# KiCad board EOutside.kicad_pcb (continued)
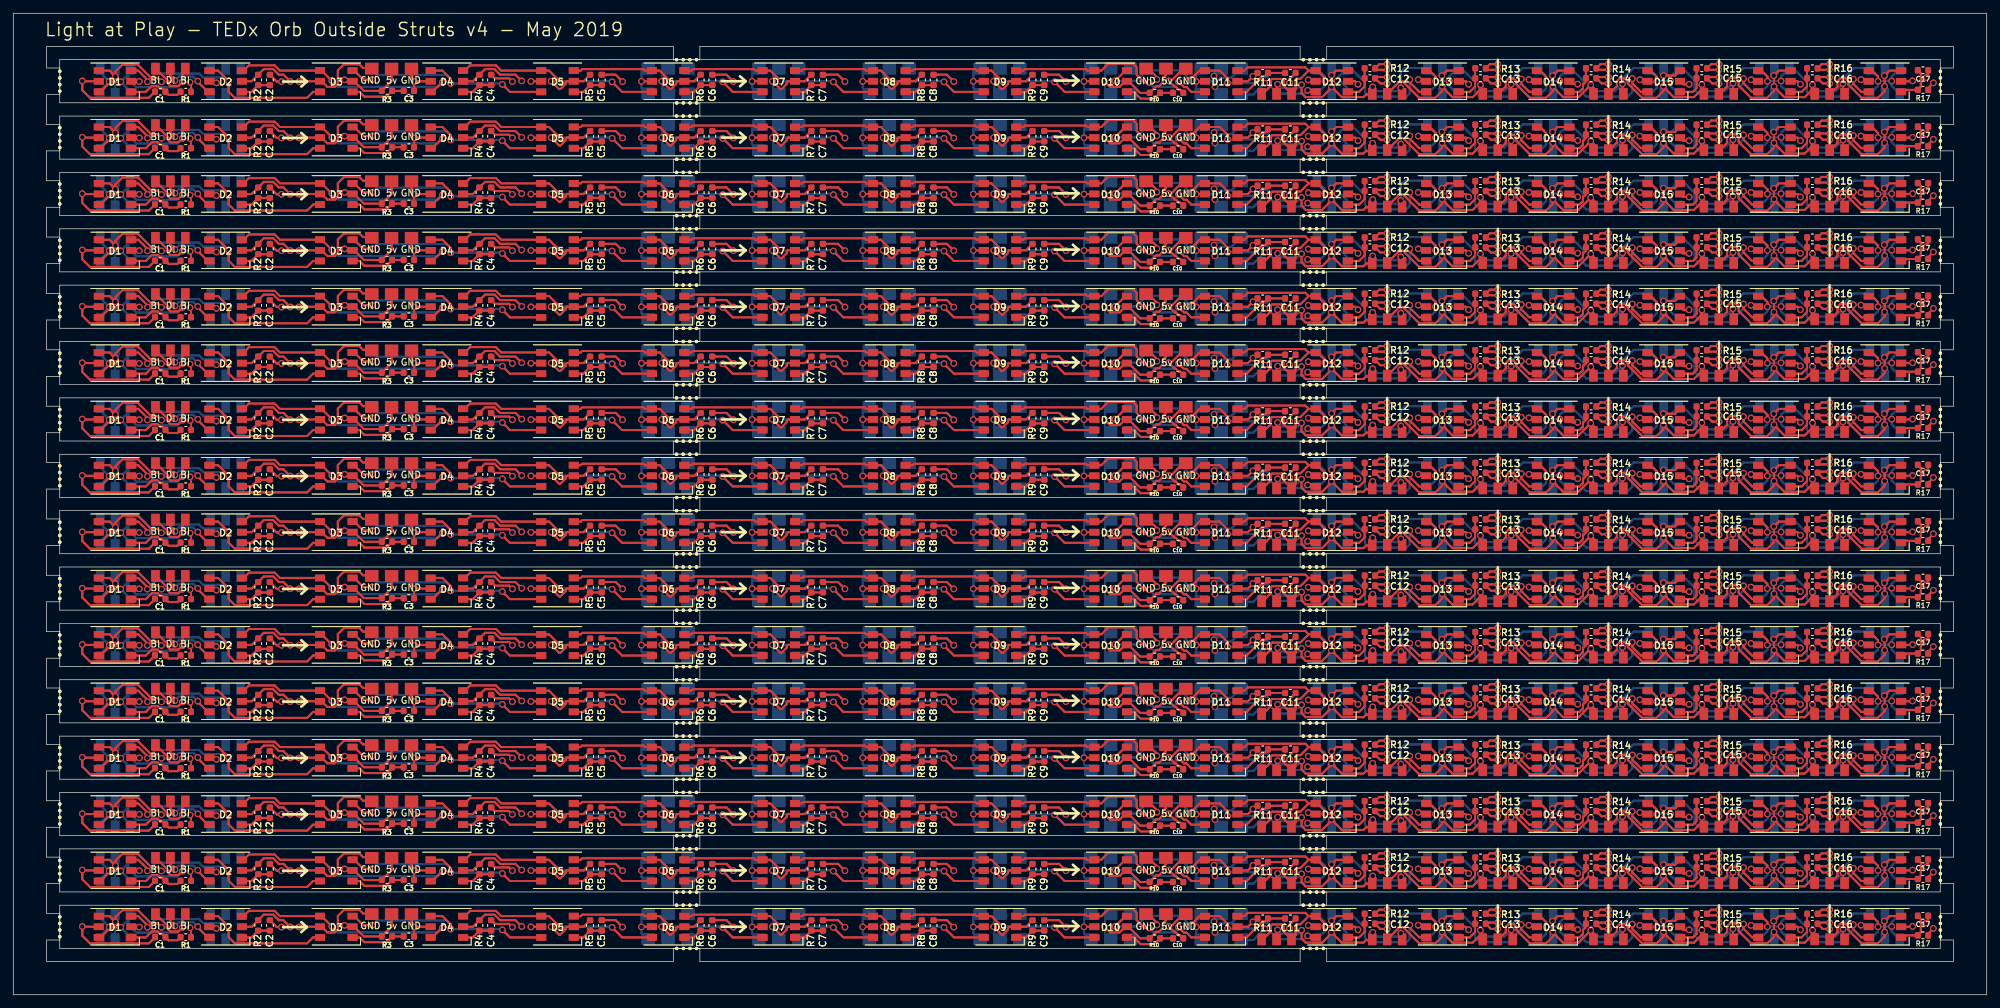
[diagram p0: board, top side]
## Routing (per net, layer and track width the routed paths; a pad name or vN(x,y) marks a point on that pad's centre or on a via; arc(x,y) is an arc through that point) (continued)
251.57,77.79 ; 251.79,77.79 251.57,77.79 ; 234.88,77.82 D14#10.2 234.88,77.82 ; 251.57,77.79 D15#11.2 251.57,77.79 ; 186.02,78.25 186.27,78.5 ; 186.02,78.25 D11#13.2 186.02,78.25 ; 186.02,78.25 186.27,78.5 ; 186.27,78.5 v1(186.77,79) ; 186.27,78.5 v1(186.77,79) ; v1(186.77,79) 186.96,79 ; v1(186.77,79) 186.96,79 ; 186.96,79 R11#10.1 186.96,79 ; 286.12,78.25 v1(286.17,78.3) 286.12,78.25 ; 286.12,78.25 D17#12.2 286.12,78.25 ; 288.52,77.23 v1(289.29,78) 288.52,77.23 ; 288.52,77.23 R17#10.1 288.52,77.23 ; 202.15,78.25 D12#13.2 202.15,78.25 ; 202.15,78.25 v1(202.6,77.8) 202.15,78.25 ; 18.94,78.25 D1#9.2 18.94,78.25 ; 18.94,78.25 v1(18.99,78.2) 18.94,78.25 ; 57,86.79 57,88.75 57,86.79 ; 57,86.79 R3#9.1 ; 57,86.79 R3#9.1 ; 73.34,87.74 75.66,87.74 ; 73.34,87.74 72.5,88.58 ; 73.34,87.74 75.66,87.74 ; 73.34,87.74 72.5,88.58 ; 75.66,87.74 v1(76.6,86.8) 75.66,87.74 ; 72.5,88.58 71.07,88.58 ; 72.5,88.58 71.07,88.58 ; R4#9.1 71.07,88.58 ; R4#9.1 69.25,86.75 ; R4#9.1 71.07,88.58 ; R4#9.1 69.25,86.75 ; 218.82,86.75 v1(219.27,86.3) 218.82,86.75 ; 218.82,86.75 D13#10.2 218.82,86.75 ; 222.07,88.48 221.85,88.7 ; 222.07,88.48 v2(223.67,88.48) 222.07,88.48 ; 222.07,88.48 221.85,88.7 ; 221.85,88.7 222.47,89.33 ; 221.85,88.7 222.47,89.33 ; 205.41,88.48 R12#9.1 ; 205.41,88.48 v2(207,88.48) 205.41,88.48 ; 205.41,88.48 R12#9.1 ; R12#9.1 205.81,89.33 ; R12#9.1 205.81,89.33 ; 239.14,89.33 v1(240.33,89.33) 239.14,89.33 ; 239.14,89.33 R14#9.1 ; 239.14,89.33 R14#9.1 ; 41.23,87.21 v1(41.73,86.71) 41.23,87.21 ; 41.23,87.21 40.7,87.74 ; 41.23,87.21 40.7,87.74 ; 69.25,86.75 D4#9.2 69.25,86.75 ; 50.07,86.75 49.92,86.9 ; 50.07,86.75 D3#9.2 ; 50.07,86.75 49.92,86.9 ; 50.07,86.75 D3#9.2 ; 49.92,86.9 v1(49.92,86.97) 49.92,86.9 ; D3#9.2 51.37,86.75 ; D3#9.2 51.37,86.75 ; 39.17,88.58 40.01,87.74 ; 39.17,88.58 37.74,88.58 ; 39.17,88.58 40.01,87.74 ; 39.17,88.58 37.74,88.58 ; 40.01,87.74 40.7,87.74 ; 40.01,87.74 40.7,87.74 ; 37.74,88.58 R2#9.1 ; 37.74,88.58 R2#9.1 ; R2#9.1 35.91,86.75 ; R2#9.1 35.91,86.75 ; 83.2,86.55 83.2,86.34 ; 83.2,86.55 83.4,86.75 ; 83.2,86.55 83.2,86.34 ; 83.2,86.55 83.4,86.75 ; 83.2,86.34 82.44,85.57 ; 83.2,86.34 82.44,85.57 ; 35.91,86.75 D2#9.2 35.91,86.75 ; 85.91,86.75 R5#9.1 85.91,86.75 ; 85.91,86.75 D5#10.2 ; 85.91,86.75 D5#10.2 ; 82.44,85.57 82.23,85.57 ; 82.44,85.57 82.23,85.57 ; 82.23,85.57 v1(81.05,86.75) 82.23,85.57 ; D5#10.2 83.4,86.75 ; D5#10.2 83.4,86.75 ; 99.87,86.34 99.11,85.57 ; 99.87,86.34 99.87,86.55 ; 99.87,86.34 99.11,85.57 ; 99.87,86.34 99.87,86.55 ; 99.11,85.57 98.9,85.57 ; 99.11,85.57 98.9,85.57 ; 100.07,86.75 99.87,86.55 ; 100.07,86.75 D6#10.2 ; 100.07,86.75 99.87,86.55 ; 100.07,86.75 D6#10.2 ; D6#10.2 102.58,86.75 ; D6#10.2 102.58,86.75 ; 148.9,85.57 v1(147.72,86.75) 148.9,85.57 ; 148.9,85.57 149.11,85.57 ; 148.9,85.57 149.11,85.57 ; 149.11,85.57 149.87,86.34 ; 149.11,85.57 149.87,86.34 ; 150.07,86.75 149.87,86.55 ; 150.07,86.75 D9#9.2 ; 150.07,86.75 149.87,86.55 ; 150.07,86.75 D9#9.2 ; 149.87,86.55 149.87,86.34 ; 149.87,86.55 149.87,86.34 ; D9#9.2 152.58,86.75 ; D9#9.2 152.58,86.75 ; 152.58,86.75 R9#10.1 152.58,86.75 ; 135.91,86.75 R8#9.1 135.91,86.75 ; 135.91,86.75 D8#9.2 ; 135.91,86.75 D8#9.2 ; D8#9.2 133.4,86.75 ; D8#9.2 133.4,86.75 ; 132.23,85.57 v1(131.05,86.75) 132.23,85.57 ; 132.23,85.57 132.44,85.57 ; 132.23,85.57 132.44,85.57 ; 132.44,85.57 133.21,86.34 ; 132.44,85.57 133.21,86.34 ; 133.21,86.55 133.21,86.34 ; 133.21,86.55 133.4,86.75 ; 133.21,86.55 133.21,86.34 ; 133.21,86.55 133.4,86.75 ; 119.25,86.75 R7#9.1 119.25,86.75 ; 119.25,86.75 D7#9.2 ; 119.25,86.75 D7#9.2 ; D7#9.2 116.73,86.75 ; D7#9.2 116.73,86.75 ; 115.56,85.57 v1(114.38,86.75) 115.56,85.57 ; 115.56,85.57 115.77,85.57 ; 115.56,85.57 115.77,85.57 ; 115.77,85.57 116.54,86.34 ; 115.77,85.57 116.54,86.34 ; 116.54,86.55 116.54,86.34 ; 116.54,86.55 116.73,86.75 ; 116.54,86.55 116.54,86.34 ; 116.54,86.55 116.73,86.75 ; 102.58,86.75 R6#9.1 102.58,86.75 ; 98.9,85.57 v1(97.72,86.75) 98.9,85.57 ; R3#9.1 52.82,85.3 ; R3#9.1 52.82,85.3 ; 52.82,85.3 51.37,86.75 ; 52.82,85.3 51.37,86.75 ; R10#11.1 169.78,85 ; R10#11.1 172.21,86 ; R10#11.1 169.78,85 ; R10#11.1 172.21,86 ; 169.78,85 168.03,86.75 ; 169.78,85 168.03,86.75 ; 268.82,86.75 D16#9.2 268.82,86.75 ; 268.82,86.75 v1(269.27,86.3) 268.82,86.75 ; 255.81,89.33 v1(257,89.33) 255.81,89.33 ; 255.81,89.33 R15#10.1 ; 255.81,89.33 R15#10.1 ; 238.74,88.48 R14#9.1 ; 238.74,88.48 v2(240.33,88.48) 238.74,88.48 ; 238.74,88.48 R14#9.1 ; 272.07,88.48 271.85,88.7 ; 272.07,88.48 v2(273.67,88.48) 272.07,88.48 ; 272.07,88.48 271.85,88.7 ; 271.85,88.7 272.47,89.33 ; 271.85,88.7 272.47,89.33 ; 172.63,86 173.2,86.57 ; 172.63,86 172.21,86 ; 172.63,86 173.2,86.57 ; 172.63,86 172.21,86 ; 173.2,86.57 173.2,87.23 ; 173.2,86.57 173.2,87.23 ; 173.2,87.23 173.67,87.7 ; 173.2,87.23 173.67,87.7 ; 173.67,87.7 173.67,88.75 173.67,87.7 ; 167.53,86.75 166.68,85.9 ; 167.53,86.75 D10#9.2 ; 167.53,86.75 166.68,85.9 ; 167.53,86.75 D10#9.2 ; 166.68,85.9 165.23,85.9 ; 166.68,85.9 165.23,85.9 ; 168.03,86.75 D10#9.2 ; 168.03,86.75 D10#9.2 ; 165.23,85.9 164.88,86.25 ; 165.23,85.9 164.88,86.25 ; 164.88,86.25 v1(164.38,86.75) 164.88,86.25 ; 272.47,89.33 v1(273.67,89.33) 272.47,89.33 ; R15#10.1 255.41,88.48 ; R15#10.1 255.41,88.48 ; 255.41,88.48 v2(257,88.48) 255.41,88.48 ; 222.47,89.33 v1(223.67,89.33) 222.47,89.33 ; 235,86.32 v1(235.71,86.32) 235,86.32 ; 235,86.32 234.88,86.32 ; 235,86.32 234.88,86.32 ; 251.79,86.29 v1(252.5,86.29) 251.79,86.29 ; 251.79,86.29 251.57,86.29 ; 251.79,86.29 251.57,86.29 ; 234.88,86.32 D14#9.2 234.88,86.32 ; 251.57,86.29 D15#9.2 251.57,86.29 ; 186.02,86.75 186.27,87 ; 186.02,86.75 D11#9.2 186.02,86.75 ; 186.02,86.75 186.27,87 ; 186.27,87 v1(186.77,87.5) ; 186.27,87 v1(186.77,87.5) ; v1(186.77,87.5) 186.96,87.5 ; v1(186.77,87.5) 186.96,87.5 ; 186.96,87.5 R11#11.1 186.96,87.5 ; 286.12,86.75 v1(286.17,86.8) 286.12,86.75 ; 286.12,86.75 D17#9.2 286.12,86.75 ; 288.52,85.73 v1(289.29,86.5) 288.52,85.73 ; 288.52,85.73 R17#9.1 288.52,85.73 ; 202.15,86.75 D12#9.2 202.15,86.75 ; 202.15,86.75 v1(202.6,86.3) 202.15,86.75 ; 18.94,86.75 D1#10.2 18.94,86.75 ; 18.94,86.75 v1(18.99,86.7) 18.94,86.75 ; 26.78,86.46 v1(26.64,86.6) 26.78,86.46 ; 26.78,86.46 R1#9.1 26.78,86.46 ; 205.81,89.33 v1(207,89.33) 205.81,89.33 ; R10#17.1 169.78,68 ; R10#17.1 172.21,69 ; R10#17.1 169.78,68 ; R10#17.1 172.21,69 ; 169.78,68 168.03,69.75 ; 169.78,68 168.03,69.75 ; 268.82,69.75 D16#21.2 268.82,69.75 ; 268.82,69.75 v1(269.27,69.3) 268.82,69.75 ; 255.81,72.33 v1(257,72.33) 255.81,72.33 ; 255.81,72.33 R15#19.1 ; 255.81,72.33 R15#19.1 ; 238.74,71.48 R14#23.1 ; 238.74,71.48 v2(240.33,71.48) 238.74,71.48 ; 238.74,71.48 R14#23.1 ; R14#23.1 239.14,72.33 ; R14#23.1 239.14,72.33 ; 272.07,71.48 271.85,71.7 ; 272.07,71.48 v2(273.67,71.48) 272.07,71.48 ; 272.07,71.48 271.85,71.7 ; 271.85,71.7 272.47,72.33 ; 271.85,71.7 272.47,72.33 ; 239.14,72.33 v1(240.33,72.33) 239.14,72.33 ; 222.07,71.48 v2(223.67,71.48) 222.07,71.48 ; 222.07,71.48 221.85,71.7 ; 222.07,71.48 221.85,71.7 ; 172.63,69 173.2,69.57 ; 172.63,69 172.21,69 ; 172.63,69 173.2,69.57 ; 172.63,69 172.21,69 ; 173.2,69.57 173.2,70.23 ; 173.2,69.57 173.2,70.23 ; 173.2,70.23 173.67,70.7 ; 173.2,70.23 173.67,70.7 ; 173.67,70.7 173.67,71.75 173.67,70.7 ; 167.53,69.75 166.68,68.9 ; 167.53,69.75 D10#17.2 ; 167.53,69.75 166.68,68.9 ; 167.53,69.75 D10#17.2 ; 166.68,68.9 165.23,68.9 ; 166.68,68.9 165.23,68.9 ; 168.03,69.75 D10#17.2 ; 168.03,69.75 D10#17.2 ; 165.23,68.9 164.88,69.25 ; 165.23,68.9 164.88,69.25 ; 164.88,69.25 v1(164.38,69.75) 164.88,69.25 ; 71.07,71.58 72.5,71.58 ; 71.07,71.58 R4#19.1 ; 71.07,71.58 R4#19.1 ; 71.07,71.58 72.5,71.58 ; 72.5,71.58 73.34,70.74 ; 72.5,71.58 73.34,70.74 ; 75.66,70.74 v1(76.6,69.8) 75.66,70.74 ; 75.66,70.74 73.34,70.74 ; 75.66,70.74 73.34,70.74 ; 272.47,72.33 v1(273.67,72.33) 272.47,72.33 ; R15#19.1 255.41,71.48 ; R15#19.1 255.41,71.48 ; 255.41,71.48 v2(257,71.48) 255.41,71.48 ; 222.47,72.33 v1(223.67,72.33) 222.47,72.33 ; 222.47,72.33 221.85,71.7 ; 222.47,72.33 221.85,71.7 ; 235,69.32 v1(235.71,69.32) 235,69.32 ; 235,69.32 234.88,69.32 ; 235,69.32 234.88,69.32 ; 251.79,69.29 v1(252.5,69.29) 251.79,69.29 ; 251.79,69.29 251.57,69.29 ; 251.79,69.29 251.57,69.29 ; 234.88,69.32 D14#22.2 234.88,69.32 ; 251.57,69.29 D15#19.2 251.57,69.29 ; 186.02,69.75 186.27,70 ; 186.02,69.75 D11#17.2 186.02,69.75 ; 186.02,69.75 186.27,70 ; 186.27,70 v1(186.77,70.5) ; 186.27,70 v1(186.77,70.5) ; v1(186.77,70.5) 186.96,70.5 ; v1(186.77,70.5) 186.96,70.5 ; 186.96,70.5 R11#17.1 186.96,70.5 ; 286.12,69.75 v1(286.17,69.8) 286.12,69.75 ; 286.12,69.75 D17#20.2 286.12,69.75 ; 288.52,68.73 v1(289.29,69.5) 288.52,68.73 ; 288.52,68.73 R17#22.1 288.52,68.73 ; 202.15,69.75 D12#17.2 202.15,69.75 ; 202.15,69.75 v1(202.6,69.3) 202.15,69.75 ; 18.94,69.75 D1#20.2 18.94,69.75 ; 18.94,69.75 v1(18.99,69.7) 18.94,69.75 ; 26.78,69.46 v1(26.64,69.6) 26.78,69.46 ; 26.78,69.46 R1#17.1 26.78,69.46 ; 205.81,72.33 R12#19.1 ; 205.81,72.33 v1(207,72.33) 205.81,72.33 ; 205.81,72.33 R12#19.1 ; R12#19.1 205.41,71.48 ; R12#19.1 205.41,71.48 ; 218.82,69.75 D13#23.2 218.82,69.75 ; 218.82,69.75 v1(219.27,69.3) 218.82,69.75 ; 205.41,71.48 v2(207,71.48) 205.41,71.48 ; 41.23,70.21 v1(41.73,69.71) 41.23,70.21 ; 41.23,70.21 40.7,70.74 ; 41.23,70.21 40.7,70.74 ; 69.25,69.75 R4#19.1 ; 69.25,69.75 D4#19.2 69.25,69.75 ; 69.25,69.75 R4#19.1 ; 50.07,69.75 49.92,69.9 ; 50.07,69.75 D3#18.2 ; 50.07,69.75 D3#18.2 ; 50.07,69.75 49.92,69.9 ; 49.92,69.9 v1(49.92,69.97) 49.92,69.9 ; D3#18.2 51.37,69.75 ; D3#18.2 51.37,69.75 ; 39.17,71.58 40.01,70.74 ; 39.17,71.58 37.74,71.58 ; 39.17,71.58 40.01,70.74 ; 39.17,71.58 37.74,71.58 ; 40.01,70.74 40.7,70.74 ; 40.01,70.74 40.7,70.74 ; 37.74,71.58 R2#17.1 ; 37.74,71.58 R2#17.1 ; R2#17.1 35.91,69.75 ; R2#17.1 35.91,69.75 ; 83.2,69.55 83.2,69.34 ; 83.2,69.55 83.4,69.75 ; 83.2,69.55 83.2,69.34 ; 83.2,69.55 83.4,69.75 ; 83.2,69.34 82.44,68.57 ; 83.2,69.34 82.44,68.57 ; 35.91,69.75 D2#19.2 35.91,69.75 ; 85.91,69.75 R5#18.1 85.91,69.75 ; 85.91,69.75 D5#19.2 ; 85.91,69.75 D5#19.2 ; 82.44,68.57 82.23,68.57 ; 82.44,68.57 82.23,68.57 ; 82.23,68.57 v1(81.05,69.75) 82.23,68.57 ; D5#19.2 83.4,69.75 ; D5#19.2 83.4,69.75 ; 99.87,69.34 99.11,68.57 ; 99.87,69.34 99.87,69.55 ; 99.87,69.34 99.11,68.57 ; 99.87,69.34 99.87,69.55 ; 99.11,68.57 98.9,68.57 ; 99.11,68.57 98.9,68.57 ; 100.07,69.75 99.87,69.55 ; 100.07,69.75 D6#20.2 ; 100.07,69.75 99.87,69.55 ; 100.07,69.75 D6#20.2 ; D6#20.2 102.58,69.75 ; D6#20.2 102.58,69.75 ; 148.9,68.57 v1(147.72,69.75) 148.9,68.57 ; 148.9,68.57 149.11,68.57 ; 148.9,68.57 149.11,68.57 ; 149.11,68.57 149.87,69.34 ; 149.11,68.57 149.87,69.34 ; 150.07,69.75 149.87,69.55 ; 150.07,69.75 D9#17.2 ; 150.07,69.75 149.87,69.55 ; 150.07,69.75 D9#17.2 ; 149.87,69.55 149.87,69.34 ; 149.87,69.55 149.87,69.34 ; D9#17.2 152.58,69.75 ; D9#17.2 152.58,69.75 ; 152.58,69.75 R9#21.1 152.58,69.75 ; 135.91,69.75 R8#18.1 135.91,69.75 ; 135.91,69.75 D8#17.2 ; 135.91,69.75 D8#17.2 ; D8#17.2 133.4,69.75 ; D8#17.2 133.4,69.75 ; 132.23,68.57 v1(131.05,69.75) 132.23,68.57 ; 132.23,68.57 132.44,68.57 ; 132.23,68.57 132.44,68.57 ; 132.44,68.57 133.21,69.34 ; 132.44,68.57 133.21,69.34 ; 133.21,69.55 133.21,69.34 ; 133.21,69.55 133.4,69.75 ; 133.21,69.55 133.21,69.34 ; 133.21,69.55 133.4,69.75 ; 119.25,69.75 R7#18.1 119.25,69.75 ; 119.25,69.75 D7#17.2 ; 119.25,69.75 D7#17.2 ; D7#17.2 116.73,69.75 ; D7#17.2 116.73,69.75 ; 115.56,68.57 v1(114.38,69.75) 115.56,68.57 ; 115.56,68.57 115.77,68.57 ; 115.56,68.57 115.77,68.57 ; 115.77,68.57 116.54,69.34 ; 115.77,68.57 116.54,69.34 ; 116.54,69.55 116.54,69.34 ; 116.54,69.55 116.73,69.75 ; 116.54,69.55 116.54,69.34 ; 116.54,69.55 116.73,69.75 ; 102.58,69.75 R6#18.1 102.58,69.75 ; 98.9,68.57 v1(97.72,69.75) 98.9,68.57 ; R3#17.1 52.82,68.3 ; R3#17.1 57,69.79 ; R3#17.1 52.82,68.3 ; R3#17.1 57,69.79 ; 52.82,68.3 51.37,69.75 ; 52.82,68.3 51.37,69.75 ; 57,69.79 57,71.75 57,69.79 ; R10#21.1 169.78,59.5 ; R10#21.1 172.21,60.5 ; R10#21.1 169.78,59.5 ; R10#21.1 172.21,60.5 ; 169.78,59.5 168.03,61.25 ; 169.78,59.5 168.03,61.25 ; 268.82,61.25 D16#17.2 268.82,61.25 ; 268.82,61.25 v1(269.27,60.8) 268.82,61.25 ; 255.81,63.83 v1(257,63.83) 255.81,63.83 ; 255.81,63.83 R15#22.1 ; 255.81,63.83 R15#22.1 ; 238.74,62.98 R14#17.1 ; 238.74,62.98 v2(240.33,62.98) 238.74,62.98 ; 238.74,62.98 R14#17.1 ; R14#17.1 239.14,63.83 ; R14#17.1 239.14,63.83 ; 272.07,62.98 271.85,63.2 ; 272.07,62.98 v2(273.67,62.98) 272.07,62.98 ; 272.07,62.98 271.85,63.2 ; 271.85,63.2 272.47,63.83 ; 271.85,63.2 272.47,63.83 ; 239.14,63.83 v1(240.33,63.83) 239.14,63.83 ; 222.07,62.98 v2(223.67,62.98) 222.07,62.98 ; 222.07,62.98 221.85,63.2 ; 222.07,62.98 221.85,63.2 ; 172.63,60.5 173.2,61.07 ; 172.63,60.5 172.21,60.5 ; 172.63,60.5 173.2,61.07 ; 172.63,60.5 172.21,60.5 ; 173.2,61.07 173.2,61.73 ; 173.2,61.07 173.2,61.73 ; 173.2,61.73 173.67,62.2 ; 173.2,61.73 173.67,62.2 ; 173.67,62.2 173.67,63.25 173.67,62.2 ; 167.53,61.25 166.68,60.4 ; 167.53,61.25 D10#22.2 ; 167.53,61.25 166.68,60.4 ; 167.53,61.25 D10#22.2 ; 166.68,60.4 165.23,60.4 ; 166.68,60.4 165.23,60.4 ; 168.03,61.25 D10#22.2 ; 168.03,61.25 D10#22.2 ; 165.23,60.4 164.88,60.75 ; 165.23,60.4 164.88,60.75 ; 164.88,60.75 v1(164.38,61.25) 164.88,60.75 ; 71.07,63.08 72.5,63.08 ; 71.07,63.08 R4#22.1 ; 71.07,63.08 72.5,63.08 ; 71.07,63.08 R4#22.1 ; 72.5,63.08 73.34,62.24 ; 72.5,63.08 73.34,62.24 ; 75.66,62.24 v1(76.6,61.3) 75.66,62.24 ; 75.66,62.24 73.34,62.24 ; 75.66,62.24 73.34,62.24 ; 272.47,63.83 v1(273.67,63.83) 272.47,63.83 ; R15#22.1 255.41,62.98 ; R15#22.1 255.41,62.98 ; 255.41,62.98 v2(257,62.98) 255.41,62.98 ; 222.47,63.83 v1(223.67,63.83) 222.47,63.83 ; 222.47,63.83 221.85,63.2 ; 222.47,63.83 221.85,63.2 ; 235,60.82 v1(235.71,60.82) 235,60.82 ; 235,60.82 234.88,60.82 ; 235,60.82 234.88,60.82 ; 251.79,60.79 v1(252.5,60.79) 251.79,60.79 ; 251.79,60.79 251.57,60.79 ; 251.79,60.79 251.57,60.79 ; 234.88,60.82 D14#17.2 234.88,60.82 ; 251.57,60.79 D15#20.2 251.57,60.79 ; 186.02,61.25 186.27,61.5 ; 186.02,61.25 D11#19.2 186.02,61.25 ; 186.02,61.25 186.27,61.5 ; 186.27,61.5 v1(186.77,62) ; 186.27,61.5 v1(186.77,62) ; v1(186.77,62) 186.96,62 ; v1(186.77,62) 186.96,62 ; 186.96,62 R11#21.1 186.96,62 ; 286.12,61.25 v1(286.17,61.3) 286.12,61.25 ; 286.12,61.25 D17#17.2 286.12,61.25 ; 288.52,60.23 v1(289.29,61) 288.52,60.23 ; 288.52,60.23 R17#17.1 288.52,60.23 ; 202.15,61.25 D12#21.2 202.15,61.25 ; 202.15,61.25 v1(202.6,60.8) 202.15,61.25 ; 18.94,61.25 D1#17.2 18.94,61.25 ; 18.94,61.25 v1(18.99,61.2) 18.94,61.25 ; 26.78,60.96 v1(26.64,61.1) 26.78,60.96 ; 26.78,60.96 R1#20.1 26.78,60.96 ; R3#22.1 52.82,59.8 ; R3#22.1 57,61.29 ; R3#22.1 52.82,59.8 ; R3#22.1 57,61.29 ; 52.82,59.8 51.37,61.25 ; 52.82,59.8 51.37,61.25 ; 51.37,61.25 D3#19.2 ; 51.37,61.25 D3#19.2 ; D3#19.2 50.07,61.25 ; D3#19.2 50.07,61.25 ; 57,61.29 57,63.25 57,61.29 ; R4#22.1 69.25,61.25 ; R4#22.1 69.25,61.25 ; 85.91,61.25 R5#21.1 85.91,61.25 ; 85.91,61.25 D5#22.2 ; 85.91,61.25 D5#22.2 ; 83.2,60.84 82.44,60.07 ; 83.2,60.84 83.2,61.05 ; 83.2,60.84 83.2,61.05 ; 83.2,60.84 82.44,60.07 ; 82.44,60.07 82.23,60.07 ; 82.44,60.07 82.23,60.07 ; 82.23,60.07 v1(81.05,61.25) 82.23,60.07 ; D5#22.2 83.4,61.25 ; D5#22.2 83.4,61.25 ; 83.4,61.25 83.2,61.05 ; 83.4,61.25 83.2,61.05 ; 35.91,61.25 R2#20.1 ; 35.91,61.25 D2#20.2 35.91,61.25 ; 35.91,61.25 R2#20.1 ; R2#20.1 37.74,63.08 ; R2#20.1 37.74,63.08 ; 99.87,60.84 99.11,60.07 ; 99.87,60.84 99.87,61.05 ; 99.87,60.84 99.11,60.07 ; 99.87,60.84 99.87,61.05 ; 99.11,60.07 98.9,60.07 ; 99.11,60.07 98.9,60.07 ; 100.07,61.25 99.87,61.05 ; 100.07,61.25 D6#19.2 ; 100.07,61.25 99.87,61.05 ; 100.07,61.25 D6#19.2 ; 40.7,62.24 41.23,61.71 ; 40.7,62.24 40.01,62.24 ; 40.7,62.24 40.01,62.24 ; 40.7,62.24 41.23,61.71 ; 41.23,61.71 v1(41.73,61.21) 41.23,61.71 ; D6#19.2 102.58,61.25 ; D6#19.2 102.58,61.25 ; 148.9,60.07 v1(147.72,61.25) 148.9,60.07 ; 148.9,60.07 149.11,60.07 ; 148.9,60.07 149.11,60.07 ; 149.11,60.07 149.87,60.84 ; 149.11,60.07 149.87,60.84 ; 150.07,61.25 149.87,61.05 ; 150.07,61.25 D9#21.2 ; 150.07,61.25 149.87,61.05 ; 150.07,61.25 D9#21.2 ; 149.87,61.05 149.87,60.84 ; 149.87,61.05 149.87,60.84 ; D9#21.2 152.58,61.25 ; D9#21.2 152.58,61.25 ; 152.58,61.25 R9#20.1 152.58,61.25 ; 135.91,61.25 R8#22.1 135.91,61.25 ; 135.91,61.25 D8#21.2 ; 135.91,61.25 D8#21.2 ; D8#21.2 133.4,61.25 ; D8#21.2 133.4,61.25 ; 132.23,60.07 v1(131.05,61.25) 132.23,60.07 ; 132.23,60.07 132.44,60.07 ; 132.23,60.07 132.44,60.07 ; 132.44,60.07 133.21,60.84 ; 132.44,60.07 133.21,60.84 ; 133.21,61.05 133.21,60.84 ; 133.21,61.05 133.4,61.25 ; 133.21,61.05 133.21,60.84 ; 133.21,61.05 133.4,61.25 ; 119.25,61.25 R7#21.1 119.25,61.25 ; 119.25,61.25 D7#21.2 ; 119.25,61.25 D7#21.2 ; D7#21.2 116.73,61.25 ; D7#21.2 116.73,61.25 ; 115.56,60.07 v1(114.38,61.25) 115.56,60.07 ; 115.56,60.07 115.77,60.07 ; 115.56,60.07 115.77,60.07 ; 115.77,60.07 116.54,60.84 ; 115.77,60.07 116.54,60.84 ; 116.54,61.05 116.54,60.84 ; 116.54,61.05 116.73,61.25 ; 116.54,61.05 116.54,60.84 ; 116.54,61.05 116.73,61.25 ; 102.58,61.25 R6#20.1 102.58,61.25 ; 98.9,60.07 v1(97.72,61.25) 98.9,60.07 ; 49.92,61.4 v1(49.92,61.47) 49.92,61.4 ; 49.92,61.4 50.07,61.25 ; 49.92,61.4 50.07,61.25 ; 205.81,63.83 R12#20.1 ; 205.81,63.83 v1(207,63.83) 205.81,63.83 ; 205.81,63.83 R12#20.1 ; R12#20.1 205.41,62.98 ; R12#20.1 205.41,62.98 ; 218.82,61.25 D13#21.2 218.82,61.25 ; 218.82,61.25 v1(219.27,60.8) 218.82,61.25 ; 205.41,62.98 v2(207,62.98) 205.41,62.98 ; 69.25,61.25 D4#17.2 69.25,61.25 ; 39.17,63.08 40.01,62.24 ; 39.17,63.08 37.74,63.08 ; 39.17,63.08 40.01,62.24 ; 39.17,63.08 37.74,63.08 ; 57,52.79 57,54.75 57,52.79 ; 57,52.79 R3#19.1 ; 57,52.79 R3#19.1 ; 73.34,53.74 75.66,53.74 ; 73.34,53.74 72.5,54.58 ; 73.34,53.74 75.66,53.74 ; 73.34,53.74 72.5,54.58 ; 75.66,53.74 v1(76.6,52.8) 75.66,53.74 ; 72.5,54.58 71.07,54.58 ; 72.5,54.58 71.07,54.58 ; R4#17.1 71.07,54.58 ; R4#17.1 69.25,52.75 ; R4#17.1 69.25,52.75 ; R4#17.1 71.07,54.58 ; 166.68,43.4 165.23,43.4 ; 166.68,43.4 167.53,44.25 ; 166.68,43.4 165.23,43.4 ; 166.68,43.4 167.53,44.25 ; 165.23,43.4 164.88,43.75 ; 165.23,43.4 164.88,43.75 ; 71.07,46.08 72.5,46.08 ; 71.07,46.08 R4#21.1 ; 71.07,46.08 72.5,46.08 ; 71.07,46.08 R4#21.1 ; 72.5,46.08 73.34,45.24 ; 72.5,46.08 73.34,45.24 ; 75.66,45.24 v1(76.6,44.3) 75.66,45.24 ; 75.66,45.24 73.34,45.24 ; 75.66,45.24 73.34,45.24 ; 169.78,42.5 168.03,44.25 ; 169.78,42.5 R10#18.1 ; 169.78,42.5 168.03,44.25 ; 169.78,42.5 R10#18.1 ; 168.03,44.25 D10#19.2 ; 168.03,44.25 D10#19.2 ; 164.88,43.75 v1(164.38,44.25) 164.88,43.75 ; 272.47,46.83 v1(273.67,46.83) 272.47,46.83 ; 272.47,46.83 271.85,46.2 ; 272.47,46.83 271.85,46.2 ; 255.81,46.83 R15#18.1 ; 255.81,46.83 v1(257,46.83) 255.81,46.83 ; 255.81,46.83 R15#18.1 ; R15#18.1 255.41,45.98 ; R15#18.1 255.41,45.98 ; 172.21,43.5 172.63,43.5 ; 172.21,43.5 R10#18.1 ; 172.21,43.5 172.63,43.5 ; 172.21,43.5 R10#18.1 ; 172.63,43.5 173.2,44.07 ; 172.63,43.5 173.2,44.07 ; 255.41,45.98 v2(257,45.98) 255.41,45.98 ; 222.47,46.83 v1(223.67,46.83) 222.47,46.83 ; 222.47,46.83 221.85,46.2 ; 222.47,46.83 221.85,46.2 ; D10#19.2 167.53,44.25 ; D10#19.2 167.53,44.25 ; 235,43.82 v1(235.71,43.82) 235,43.82 ; 235,43.82 234.88,43.82 ; 235,43.82 234.88,43.82 ; 251.79,43.79 v1(252.5,43.79) 251.79,43.79 ; 251.79,43.79 251.57,43.79 ; 251.79,43.79 251.57,43.79 ; 234.88,43.82 D14#19.2 234.88,43.82 ; 251.57,43.79 D15#18.2 251.57,43.79 ; 268.82,44.25 v1(269.27,43.8) 268.82,44.25 ; 268.82,44.25 D16#18.2 268.82,44.25 ; 221.85,46.2 222.07,45.98 ; 221.85,46.2 222.07,45.98 ; 272.07,45.98 v2(273.67,45.98) 272.07,45.98 ; 272.07,45.98 271.85,46.2 ; 272.07,45.98 271.85,46.2 ; 173.2,44.73 173.67,45.2 ; 173.2,44.73 173.2,44.07 ; 173.2,44.73 173.67,45.2 ; 173.2,44.73 173.2,44.07 ; 173.67,45.2 173.67,46.25 173.67,45.2 ; 186.02,44.25 186.27,44.5 ; 186.02,44.25 D11#21.2 186.02,44.25 ; 186.02,44.25 186.27,44.5 ; 186.27,44.5 v1(186.77,45) ; 186.27,44.5 v1(186.77,45) ; v1(186.77,45) 186.96,45 ; v1(186.77,45) 186.96,45 ; 186.96,45 R11#18.1 186.96,45 ; 286.12,44.25 v1(286.17,44.3) 286.12,44.25 ; 286.12,44.25 D17#22.2 286.12,44.25 ; 288.52,43.23 v1(289.29,44) 288.52,43.23 ; 288.52,43.23 R17#19.1 288.52,43.23 ; 202.15,44.25 D12#23.2 